# Altium PCB MicroBoard030603.PcbDoc
Units mm, origin at the board's own origin, x right, y up, seen from the top; angles counter-clockwise.
Board outline 99.8 x 61.6 mm, 2 copper layers (Top Layer, Bottom Layer); 74 components, 77 nets, 326 pads, 104 vias.
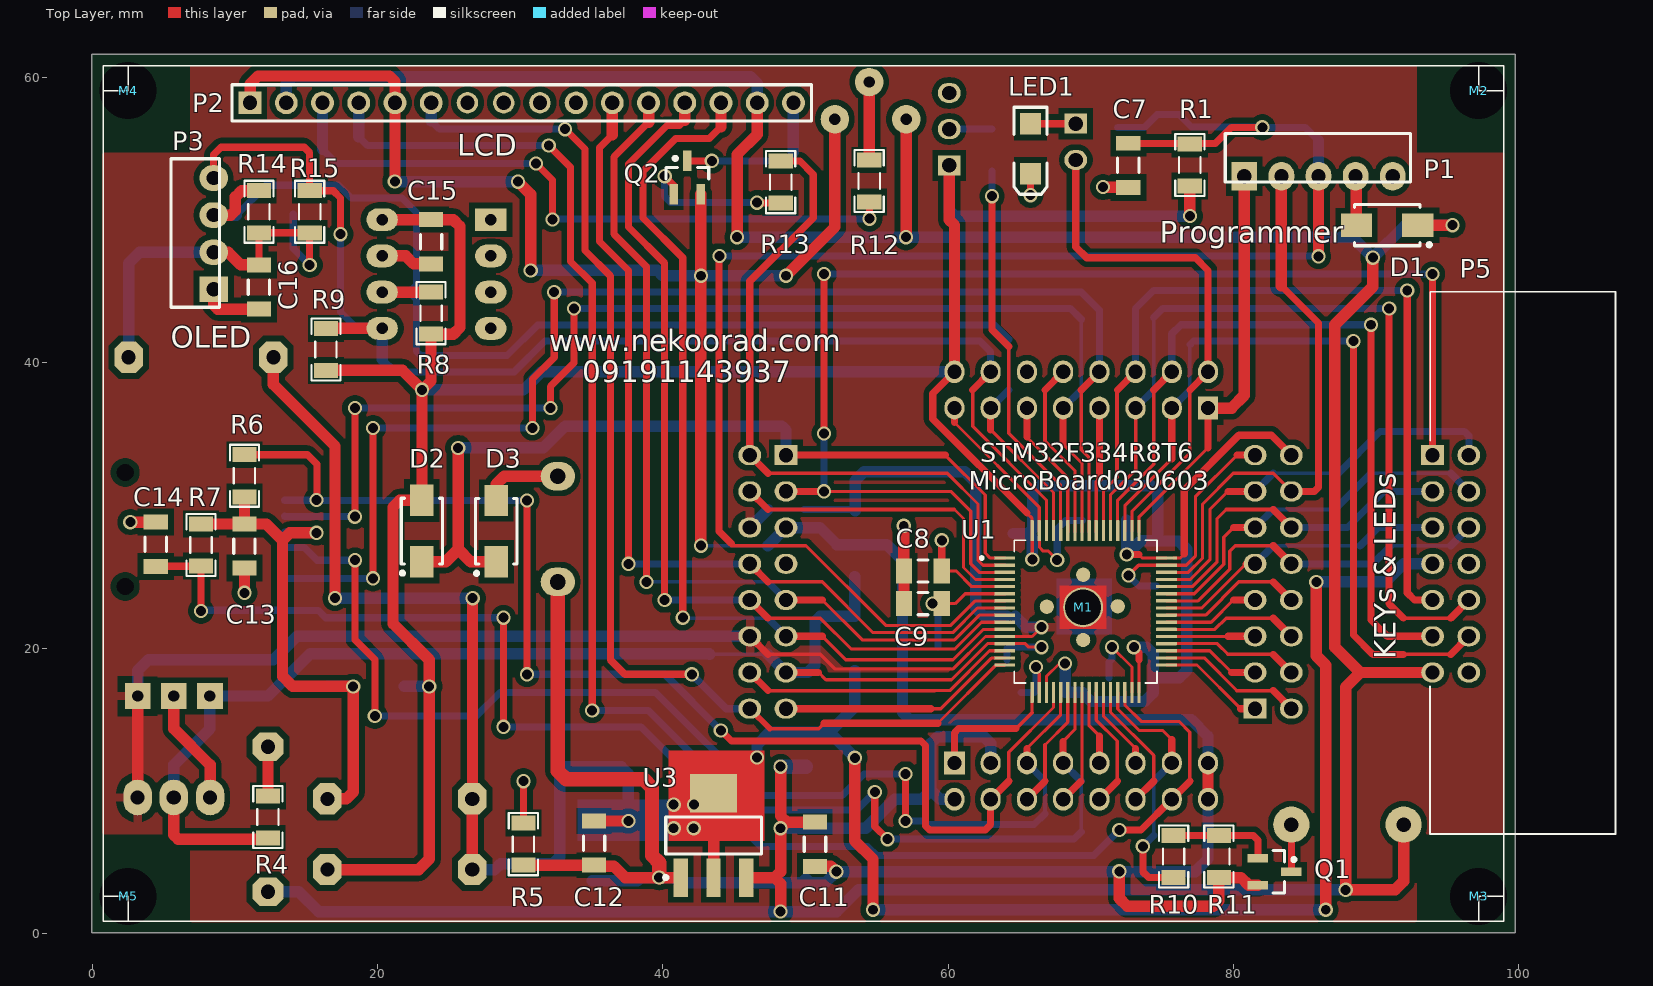
[diagram p0: Top Layer view]
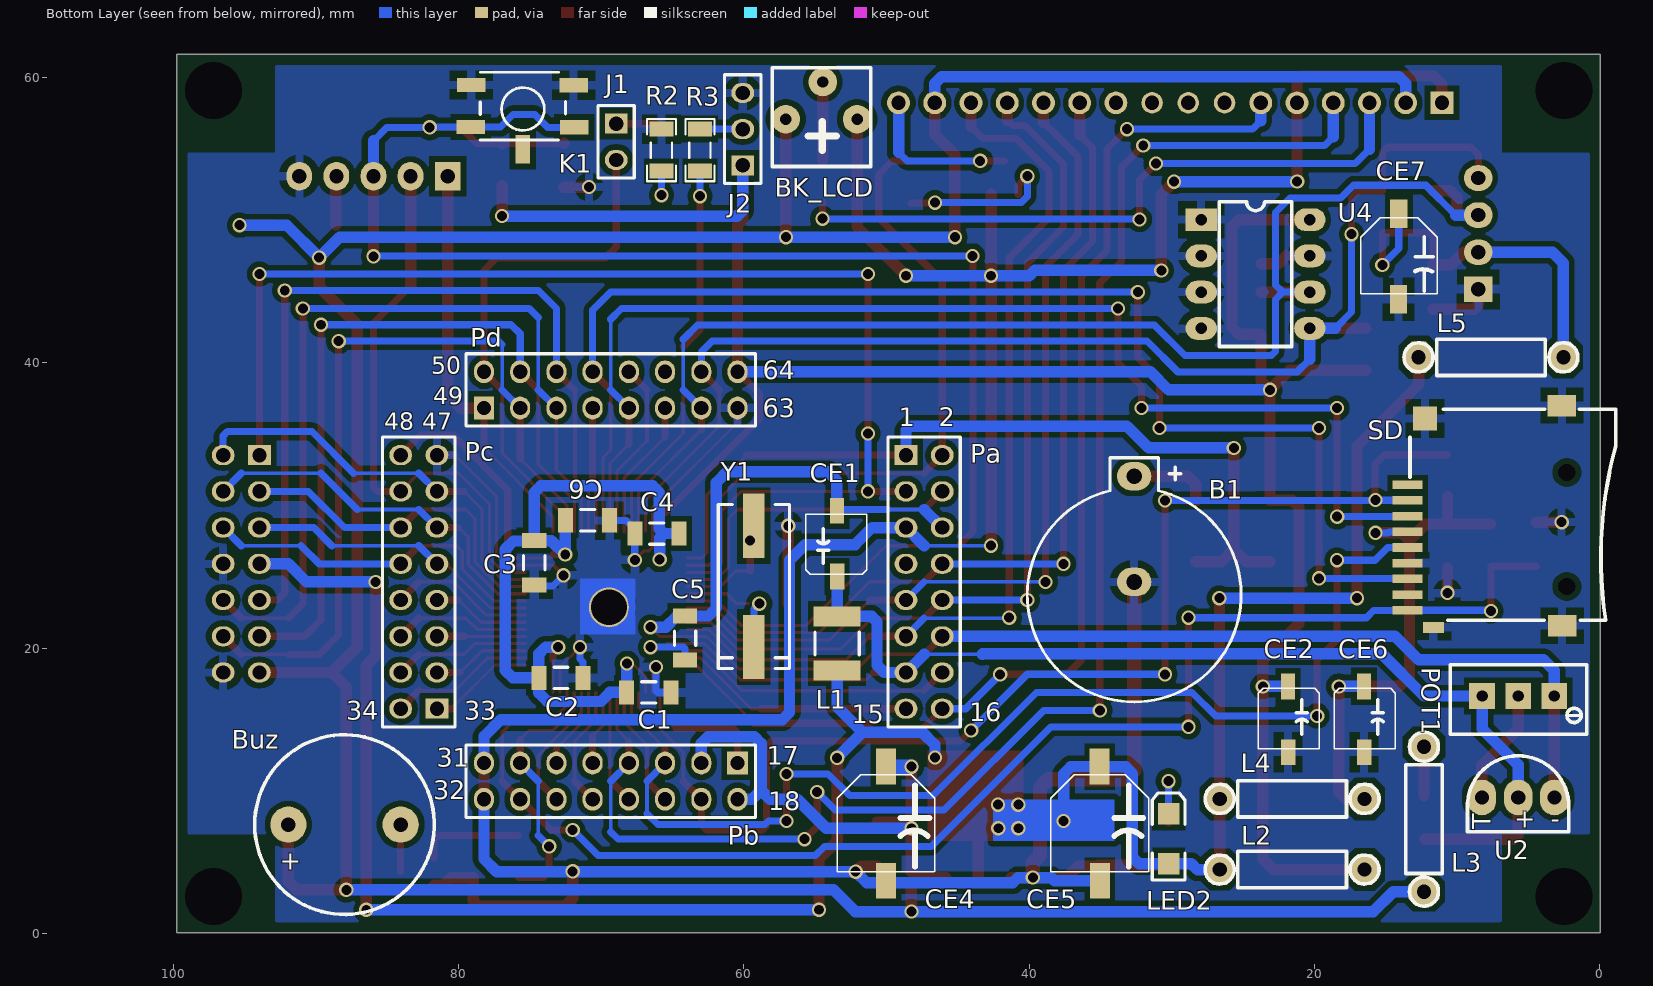
[diagram p1: Bottom Layer view, seen from below]
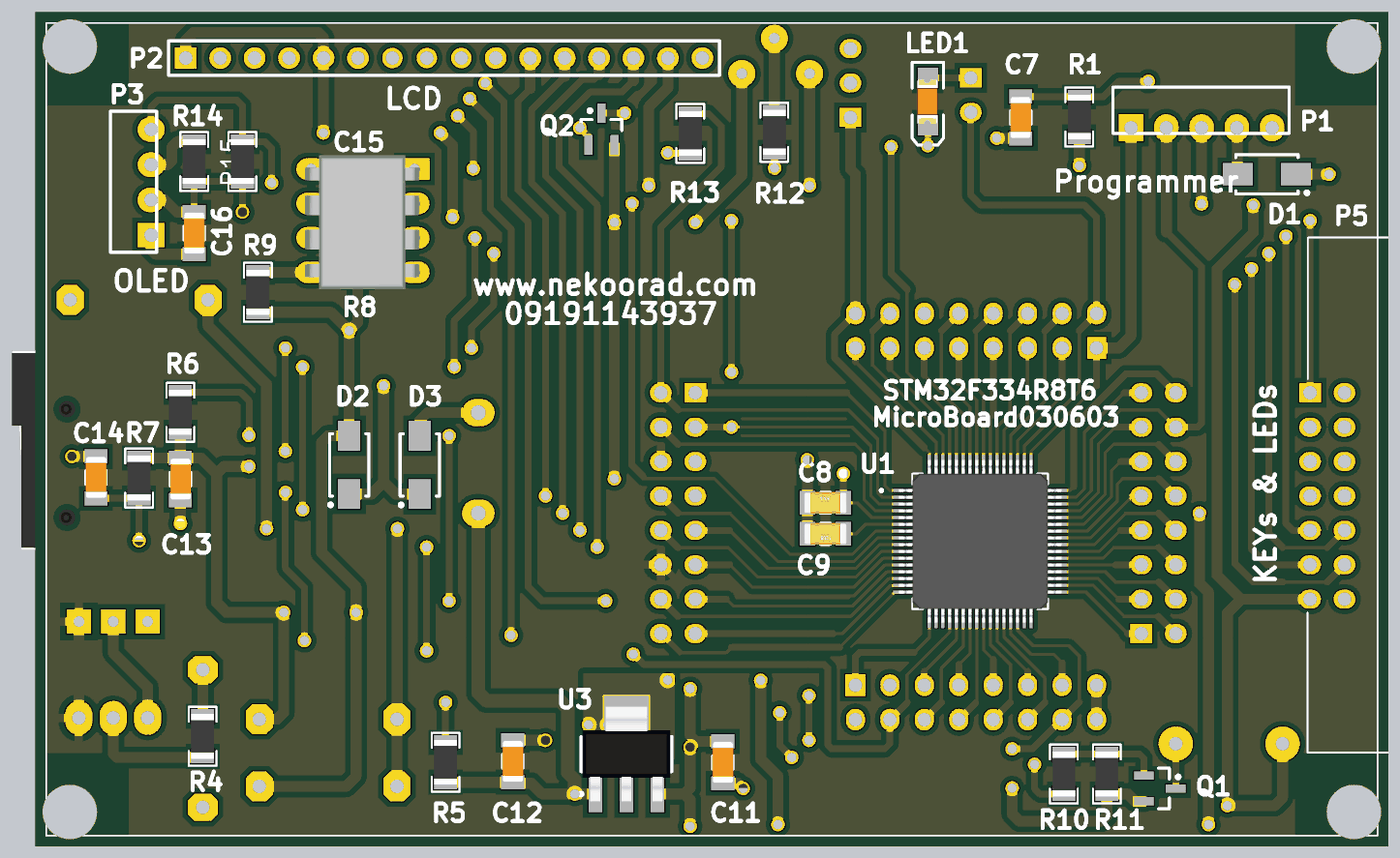
[diagram p2: 3D render of the assembled board from above, using the file's embedded part models]
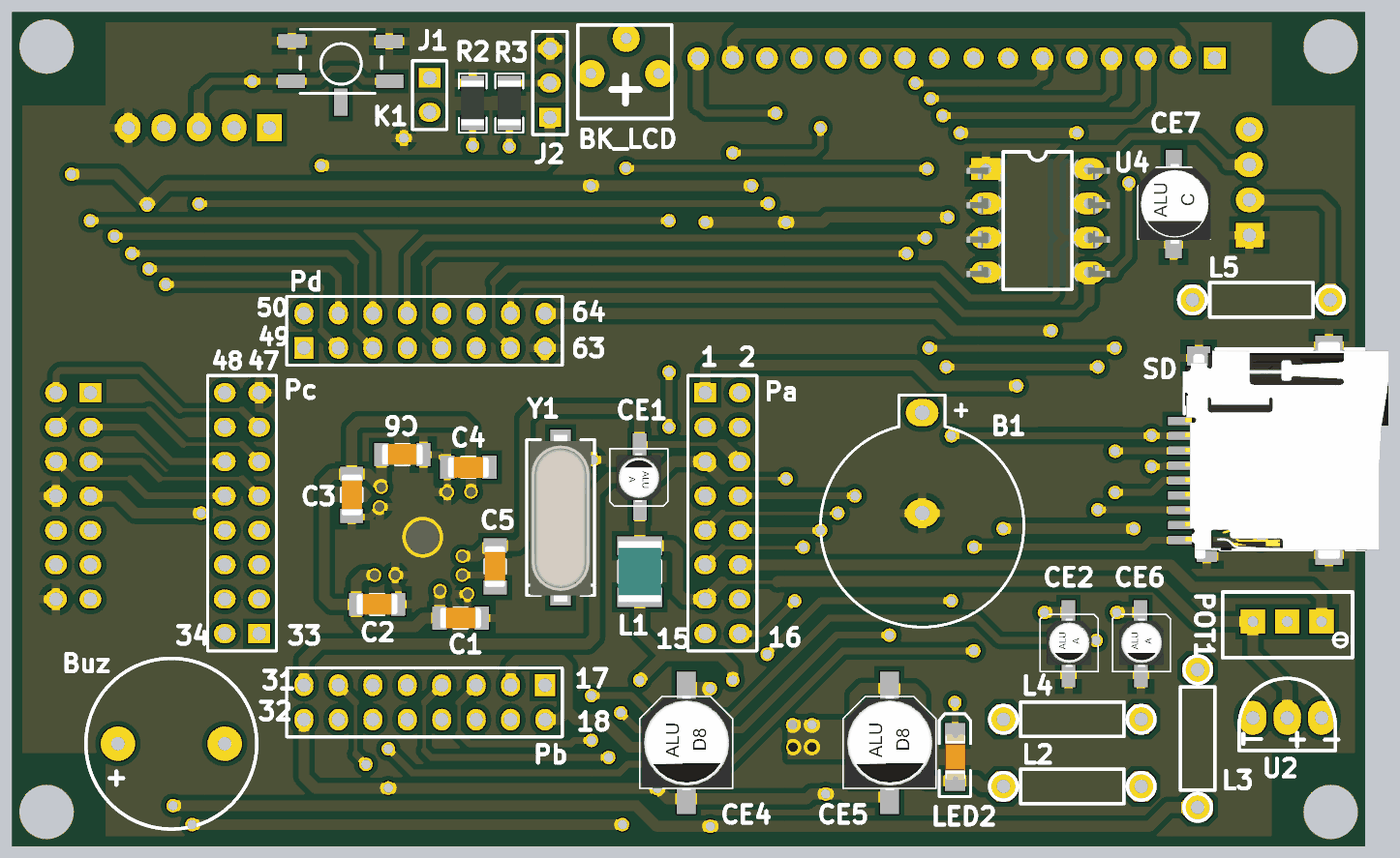
[diagram p3: 3D render of the assembled board from below, using the file's embedded part models]

## Layer stack, top to bottom
Top Solder: solder mask 0.0102, Solder Resist, Dk 3.5
Top Layer: signal copper 0.0356
Dielectric 1: dielectric 0.32, FR-4, Dk 4.8
Bottom Layer: signal copper 0.0356
Bottom Solder: solder mask 0.0102, Solder Resist, Dk 3.5

## Board outline
-0.038,0.033 -0.038,61.633 99.762,61.633 99.762,0.033

## Design rules (kind name [scope] priority, off if disabled: settings)
Clearance Clearance_2 [InNamedPolygon('Bottom Layer-GND')] p1: gap=0.254 ignorepadtopadclearanceinfootprint=FALSE except(0: Arc-Hole Track-Hole SMDPad-Hole THPad-Hole Via-Hole Fill-Hole Poly-Hole Region-Hole Text-Hole)
Clearance Clearance_1 [InNamedPolygon('Bottom Layer-GND')] p2: gap=0.254 ignorepadtopadclearanceinfootprint=FALSE except(0: Arc-Hole Track-Hole SMDPad-Hole THPad-Hole Via-Hole Fill-Hole Poly-Hole Region-Hole Text-Hole)
Clearance [All] p3: gap=0.4 ignorepadtopadclearanceinfootprint=FALSE
PlaneClearance [All] p1: clearance=0.5
PlaneConnect [All] p1: planeconnectstyle=Relief reliefexpansion=0.508 reliefentries=4 reliefconductorwidth=0.6 reliefairgap=0.5
PolygonConnect [All] p1: connectstyle=Relief reliefconductorwidth=0.6 reliefentries=4 polygonreliefangle="90 Angle" airgapwidth=0.5
RoutingVias [All] p1: holewidth=0.711 width=1.27 viastyle="Through Hole" minholewidth=0.711 minwidth=1.27 maxholewidth=0.711 maxwidth=1.27
SolderMaskExpansion [All] p1: expansion=0.102 istentingtop=FALSE
Width [All] p1: maxlimit=1 minlimit=0.2 preferedwidth=0.5 minimp=50.000000 maximp=50.000000 favimp=50.000000
28 further rules are at their usual default settings.

## Components (designator, comment, footprint, x,y, rotation, side; value= is the part's Value field where it differs from the comment)
B1 "CR1220 Holder" "BAT S" 32.639,32.055 r0 bottom
BK_LCD "10K" POT-Blue 57.06,57.074 r180 bottom
Buz "BUZZER" BUZ 88.011,7.62 r0 bottom
C1 "Comment" SMD_CAP_1206. 66.675,16.891 r0 bottom
C2 "Comment" SMD_CAP_1206. 72.83,17.906 r0 bottom
C3 "Comment" SMD_CAP_1206. 74.708,25.984 r90 bottom
C4 "Comment" SMD_CAP_1206. 66.108,28.033 r180 bottom
C5 "Comment" SMD_CAP_1206. 64.135,20.701 r270 bottom
C6 "Comment" SMD_CAP_1206. 70.968,28.956 r0 bottom
C7 "Comment" SMD_CAP_1206. 72.644,53.848 r270 top
C8 "Comment" "CAP 1206 (3216X15L)" 58.238,25.4 r0 top
C9 "Comment" "CAP 1206 (3216X15L)" 58.238,23.114 r180 top
C11 "Comment" SMD_CAP_1206. 50.673,6.248 r90 top
C12 "Comment" SMD_CAP_1206. 35.179,6.325 r90 top
C13 "Comment" SMD_CAP_1206. 10.668,27.153 r90 top
C14 "Comment" SMD_CAP_1206. 4.445,27.28 r90 top
C15 "Comment" SMD_CAP_1206. 23.749,48.489 r90 top
C16 "Comment" SMD_CAP_1206. 11.684,45.314 r90 top
CE1 "10uf tantal" cap-e-2 53.557,28.409 r0 bottom
CE2 "10uf tantal" cap-e-2 21.769,13.92 r180 bottom
CE4 "100uF" cap-e-4 50.038,5.393 r180 bottom
CE5 "100uF" cap-e-4 35.052,5.393 r180 bottom
CE6 "10uf tantal" cap-e-2 16.435,13.92 r180 bottom
CE7 "47uf tantal" CAP-E-3 14.022,45.55 r180 bottom
D1 "SS12" "Diode SMA-M" 90.796,49.657 r180 top
D2 "SS12" "Diode SMA-M" 23.114,28.203 r90 top
D3 "SS12" "Diode SMA-M" 28.321,28.194 r90 top
J1 "HDRM2" HDR1X2 68.961,56.769 r270 bottom
J2 "HDRM3" HDR1X3 60.086,53.848 r90 bottom
K1 "Push Button" "SW PB SMD" 79.121,56.515 r180 bottom
L1 "Comment" INDC4532 53.467,20.325 r270 bottom
L2 "Comment" "L RES" 26.67,4.445 r180 bottom
L3 "Comment" "L RES" 12.294,2.896 r90 bottom
L4 "Comment" "L RES" 26.67,9.398 r180 bottom
L5 "Comment" "L RES" 12.725,40.361 r180 bottom
LED1 "HB" LED_SMD_1206 63.565,54.925 r270 top
LED2 "HB" LED_SMD_1206 28.005,6.726 r90 bottom
M1 "Comment" Stud-hole#1 69.469,22.86 r0 top value=DNP/MH
M2 "Comment" Stud-hole#2 97.212,59.083 r0 top value=DNP/MH
M3 "Comment" Stud-hole#2 97.212,2.583 r0 top value=DNP/MH
M4 "Comment" Stud-hole#2 2.512,59.083 r0 top value=DNP/MH
M5 "Comment" Stud-hole#3 2.512,2.583 r0 top value=DNP/MH
P1 "Programmer" "SIP 5 right" 91.193,53.061 r270 top
P2 "LCD" HDR1X16 11.062,58.233 r0 top
P3 "OLED" "sip 4 right" 8.509,52.984 r0 top
P5 "Key LED" "IDC14 r lock" 94.005,33.528 r270 top
Pa "Header 8X2" HDR2X8#1 48.641,33.528 r270 bottom
Pb "Header 8X2" HDR2X8#2 60.452,11.938 r0 bottom
Pc "Header 8X2" HDR2X8#1 81.534,15.748 r90 bottom
Pd "Header 8X2" HDR2X8#1 78.232,36.83 r180 bottom
POT1 "10K" "pot multi turn" 3.185,16.637 r90 bottom
Q1 "BCV47" SOT23_M 82.899,4.318 r0 top
Q2 "BCV47" SOT23_M 41.722,52.991 r90 top
R1 "4K7" RES_1206 76.073,53.848 r270 top
R2 "1K" RES_1206 66.667,54.877 r270 bottom
R3 "100K" RES_1206 62.205,54.949 r90 bottom
R4 "220" RES_1206 11.43,8.128 r270 top
R5 "1K" RES_1206 31.107,6.286 r90 top
R6 "4K7" RES_1206 9.787,32.046 r270 top
R7 "10K" RES_1206 6.739,27.191 r270 top
R8 "4K7" RES_1206 22.868,43.447 r270 top
R9 "4K7" RES_1206 15.502,40.907 r270 top
R10 "10K" RES_1206 74.938,5.347 r270 top
R11 "4K7" RES_1206 79.875,5.419 r90 top
R12 "1K" RES_1206 55.35,52.79 r90 top
R13 "10K" RES_1206 49.149,52.705 r90 top
R14 "10K" RES_1206 10.803,50.559 r270 top
R15 "10K" RES_1206 14.359,50.559 r270 top
SD "Comment" "Micro sd csrd" 5.813,29.62 r180 bottom
U1 "STM32F334R8T6" STM32F334R8T6 62.349,26.311 r0 top
U2 "LM336" LM336 3.175,9.525 r90 bottom
U3 "Comment" MP04A_M 43.561,6.858 r90 top value=AMS1117-3.3V
U4 "EEPROM_I2C" dip8 27.94,50.038 r180 bottom
Y1 "8Mhz" "Crystal SMD" 59.385,24.599 r180 bottom

## Footprints (in the part's own frame and the unit in brackets; to place one, negate y for a bottom-side part, rotate by r counter-clockwise, add the part's x,y. Pads: shape width x height; smd on the part's side, far side on the other; paste and mask are expansions set on the pad)
"BAT S" [mm]
  oval 2.4x2 hole 1.1: 1(0,0) 2(0,7.417)
  silkscreen extent -7.5,-1.29 7.5,15.83
BUZ [mm]
  round 2.54 hole 1: 1(3.937,0) 2(-3.937,0)
  silkscreen extent -6.3,-6.3 6.3,6.3
"CAP 1206 (3216X15L)" [mm] "Chip Capacitor, 2-Leads, Body 3.2x1.6mm, IPC High Density"
  rect 1.15x1.75 smd: 1(-1.325,0) 2(1.325,0)
  silkscreen extent -0.35,-0.77 0.35,0.77, body extent -1.6,-0.8 1.6,0.8, height 1
cap-e-2 [mm] "1u-50v"
  rect 1x1.8 smd: 1(-0.09,3.39) 2(-0.075,-1.22)
  silkscreen extent -2.17,-0.98 2.11,3.25, body extent -1.68,-0.65 1.62,2.95, height 5.4
CAP-E-3 [mm] "22u-35v"
  rect 1.2x2 smd: 1(-0.065,4.9) 2(-0.075,-1.1)
  silkscreen extent -2.72,-0.69 2.62,4.62, body extent -2.64,-1.03 2.66,4.87, height 5.41
cap-e-4 [mm] "(100u-35v)(47u-16v)(220u-16v)(100u-16v)(10u-50v)"
  rect 1.4x2.5 smd: 1(-0.005,6.3) 2(0,-1.71)
  silkscreen extent -3.43,-1.07 3.43,5.71, body extent -3.27,-1.22 3.33,5.78, height 7.7
"Crystal SMD" [mm]
  rect 1.5x4.5 smd: 1(0.076,-4.524) 2(0.076,3.976)
  silkscreen extent -2.42,-6.02 2.58,5.48, body extent -2.17,-6.48 2.33,5.82, height 5.18
"Diode SMA-M" [mm] "Molded Diode, 2-Leads, Body 4.30x2.70mm, IPC Low Density"
  rect 2.2x1.65 smd: 1(2.15,0) 2(-2.15,0)
  silkscreen extent -3.08,-1.45 2.3,1.5, body extent -2.3,-1.45 2.3,1.45, height 2.44
dip8 [mm]
  rect 2.2x1.6 hole 0.8: 1(0,0)
  oval 2.2x1.6 hole 0.8: 2(0,-2.54) 3(0,-5.08) 4(0,-7.62) 5(7.62,-7.62) 6(7.62,-5.08) 7(7.62,-2.54) 8(7.62,0)
  silkscreen extent 1.27,-8.89 6.35,1.27, body extent -1.42,-8.88 9.14,1.02, height 3.75
HDR1X2 [mm] "Connector; Header; 2 Position"
  rect 1.4x1.6 hole 1: 1(0,0)
  oval 1.4x1.6 hole 1: 2(2.54,0)
  silkscreen extent -1.27,-1.27 3.81,1.27
HDR1X3 [mm] "Connector; Header; 3 Position"
  rect 1.4x1.6 hole 1: 1(0,0)
  oval 1.4x1.6 hole 1: 2(2.54,0) 3(5.08,0)
  silkscreen extent -1.27,-1.27 6.35,1.27
HDR1X16 [mm] "Connector; Header; 16 Position"
  rect 1.6x1.6 hole 1: 1(0,0)
  round 1.6 hole 1: 2(2.54,0) 3(5.08,0) 4(7.62,0) 5(10.16,0) 6(12.7,0) 10(22.86,0) 11(25.4,0) 12(27.94,0) 13(30.48,0) 14(33.02,0) 15(35.56,0) 16(38.1,0)
  round 1.5 hole 1: 7(15.24,0) 8(17.78,0) 9(20.32,0)
  silkscreen extent -1.27,-1.27 39.37,1.27
HDR2X8#1 [mm] "Connector; Header; 8x2 Position"
  rect 1.4x1.6 hole 1: 1(0,0)
  oval 1.4x1.6 hole 1: 2(0,2.54) 3(2.54,0) 4(2.54,2.54) 5(5.08,0) 6(5.08,2.54) 7(7.62,0) 8(7.62,2.54) 9(10.16,0) 10(10.16,2.54) 11(12.7,0) 12(12.7,2.54) 13(15.24,0) 14(15.24,2.54) 15(17.78,0) 16(17.78,2.54)
  silkscreen extent -1.27,-1.27 19.05,3.81
HDR2X8#2 [mm] "Connector; Header; 8x2 Position"
  rect 1.5x1.6 hole 1: 1(0,0)
  oval 1.4x1.6 hole 1: 2(0,2.54) 3(2.54,0) 4(2.54,2.54) 5(5.08,0) 6(5.08,2.54) 7(7.62,0) 8(7.62,2.54) 9(10.16,0) 10(10.16,2.54) 11(12.7,0) 12(12.7,2.54) 13(15.24,0) 14(15.24,2.54) 15(17.78,0) 16(17.78,2.54)
  silkscreen extent -1.27,-1.27 19.05,3.81
"IDC14 r lock" [mm]
  rect 1.4x1.6 hole 1: 1(0,-0.025)
  oval 1.4x1.6 hole 1: 2(0,2.515) 3(2.54,-0.025) 4(2.54,2.515) 5(5.08,-0.025) 6(5.08,2.515) 7(7.62,-0.025) 8(7.62,2.515) 9(10.16,-0.025) 10(10.16,2.515) 11(12.7,-0.025) 12(12.7,2.515) 13(15.24,-0.025) 14(15.24,2.515)
  silkscreen extent -11.46,-0.22 26.57,12.81
INDC4532 [mm] "Chip Inductor, Body 4.5x3.2mm, IPC High Density"
  rect 1.4x3.3 smd: 1(-1.9,0) 2(1.9,0)
  silkscreen extent -0.8,-1.55 0.8,1.55, body extent -2.25,-1.6 2.25,1.6, height 1.75
"L RES" [mm]
  oct 2x2.2 hole 1: 1(0.025,0.025) 2(10.185,0.025)
  silkscreen extent -0.99,-1.24 11.2,1.3
LED_SMD_1206 [mm] "SMD"
  rect 1.5x1.5 smd: 1(-1.844,2.221) 2(1.656,2.221)
  silkscreen extent -2.99,1.07 3.11,3.37, body extent -1.74,1.46 1.56,2.91, height 1.36
LM336 [mm]
  oval 2.5x2 hole 1: 1(0,0) 2(0,2.54) 3(0,5.08)
  silkscreen extent -2.41,-1.02 2.92,6.1
"Micro sd csrd" [mm]
  rect 2.1x0.6 smd: 1(-7.649,1.831) 2(-7.649,0.731) 3(-7.649,-0.369) 4(-7.649,-1.469) 5(-7.649,-2.569) 6(-7.649,-3.669) 7(-7.649,-4.769) 8(-7.649,-5.869) 9(-7.649,-6.969)
  rect 1.5x0.8 smd: 10(-5.838,-8.178)
  rect 1.7x1.7 smd: 11(-6.43,6.481)
  rect 2x1.5 smd: 12(3.179,-8.051) 13(3.17,7.381)
  round 0.5 hole 1.2 unplated mask+0.05: ""(3.506,-5.305) ""(3.506,2.696)
  silkscreen extent -7.49,-7.67 6.93,7.13, body extent -7.68,-8.35 7.57,7.65, height 1.85
MP04A_M [mm] "SOT223, 4-Leads, Body 6.5x3.5mm, Pitch 2.3mm, Lead Span 7mm, IPC Low Density"
  rect 2.7x1 smd: 1(-2.95,2.3) 2(-2.95,0) 3(-2.95,-2.3)
  rect 2.7x3.3 smd: 4(2.95,0)
  silkscreen extent -3.07,-3.35 1.3,3.47, body extent -3.49,-3.24 3.49,3.24, height 1.64
"pot multi turn" [mm]
  rect 1.8x1.8 hole 0.8: 1(0,5.06) 2(0,0) 3(0,2.53)
  silkscreen extent -2.67,-2.29 2.18,7.29
POT-Blue [mm]
  round 2 hole 0.8: 1(-0.009,0.013) 2(4.991,0.013) 3(2.591,2.616)
  silkscreen extent -0.97,-3.3 5.94,3.61
RES_1206 [mm] "SMD"
  rect 1.05x1.7 smd: 1(-1.511,0.881) 2(1.439,0.881)
  silkscreen extent -2.21,-0.14 2.14,1.91, body extent -1.69,0.03 1.61,1.73, height 0.94
"sip 4 right" [mm]
  rect 2x1.8 hole 1: 1(0,-7.825)
  oval 2x1.8 hole 1: 2(0,-5.225) 3(0,-2.625) 4(0,-0.025)
  silkscreen extent -3,-9.09 0.41,1.32
"SIP 5 right" [mm]
  rect 2x1.8 hole 1: 1(-0.025,-10.414)
  oval 2x1.8 hole 1: 2(-0.025,-7.814) 3(-0.025,-5.214) 4(-0.025,-2.614) 5(-0.025,-0.014)
  silkscreen extent -3.03,-11.75 0.38,1.25
SMD_CAP_1206. [mm]
  rect 1.05x1.7 smd: 1(-1.549,0) 2(1.549,0)
  silkscreen extent -0.5,-0.75 0.5,0.75, body extent -1.52,-0.77 1.53,0.75, height 0.75
SOT23_M [mm] "SOT23, 3-Leads, Body 2.9x1.3mm, Pitch 0.95mm, Lead Span 2.3mm - Reverse Pinning, IPC Low Density"
  rect 1.45x0.6 smd: 1(-1.175,0.95) 2(-1.175,-0.95) 3(1.175,0)
  silkscreen extent -0.1,-1.5 1.48,1.5, body extent -0.7,-1.5 0.7,1.5, height 1.1
STM32F334R8T6 [mm]
  rrect25% 1.47x0.229 smd: 1(1.629,0) 2(1.629,-0.5) 3(1.629,-1) 4(1.629,-1.5) 5(1.629,-2) 6(1.629,-2.5) 7(1.629,-3) 8(1.629,-3.5) 9(1.629,-4) 10(1.629,-4.5) 11(1.629,-5) 12(1.629,-5.5) 13(1.629,-6) 14(1.629,-6.5) 15(1.629,-7) 16(1.629,-7.5) 33(12.969,-7.5) 34(12.969,-7) 35(12.969,-6.5) 36(12.969,-6) 37(12.969,-5.5) 38(12.969,-5) 39(12.969,-4.5) 40(12.969,-4) 41(12.969,-3.5) 42(12.969,-3) 43(12.969,-2.5) 44(12.969,-2) 45(12.969,-1.5) 46(12.969,-1) 47(12.969,-0.5) 48(12.969,0)
  rrect25% 0.229x1.47 smd: 17(3.549,-9.42) 18(4.049,-9.42) 19(4.549,-9.42) 20(5.049,-9.42) 21(5.549,-9.42) 22(6.049,-9.42) 23(6.549,-9.42) 24(7.049,-9.42) 25(7.549,-9.42) 26(8.049,-9.42) 27(8.549,-9.42) 28(9.049,-9.42) 29(9.549,-9.42) 30(10.049,-9.42) 31(10.549,-9.42) 32(11.049,-9.42) 49(11.049,1.92) 50(10.549,1.92) 51(10.049,1.92) 52(9.549,1.92) 53(9.049,1.92) 54(8.549,1.92) 55(8.049,1.92) 56(7.549,1.92) 57(7.049,1.92) 58(6.549,1.92) 59(6.049,1.92) 60(5.549,1.92) 61(5.049,1.92) 62(4.549,1.92) 63(4.049,1.92) 64(3.549,1.92)
  silkscreen extent -0.08,-8.75 12.3,1.25, body extent 1.3,-9.75 13.3,2.25, height 1.6
Stud-hole#1 [mm]
  round 2.8 hole 2.5: 1(0,0)
Stud-hole#2 [mm]
  round 1.524 hole 4: 1(0,0)
Stud-hole#3 [mm]
  round 1.524 hole 4: ""(0,0)
"SW PB SMD" [mm]
  rect 2x1 smd: 1(-0.005,2.975) 1(7.175,2.95) 2(-0.025,0.02) 2(7.215,0)
  rect 1x2 smd: 3(3.605,-1.545)
  silkscreen extent 0.62,-0.9 6.62,3.85

## Part data
B1: library part "Battry Backup"
BK_LCD POT1: library part POT2
C1 C2 C3 C4 C5 C6 C7 C8 C9 C11 C12 C13 C14 C15 C16: library part "Capacitor SMD"
CE1 CE2 CE4 CE5 CE6 CE7: library part "Capacitor Tantalium"
D1 D2 D3: library part 1N4001
J1: library part HDR_M_1X2, "CONN, HEADER, Male, pitch: 2.54mm, 2POS"
J2: library part HDR_M_1X3, "CONN, HEADER, Male, pitch: 2.54mm, 3POS"
K1: library part "Push Kay"
L1 L2 L3 L4 L5: library part "Ferrit Bead"
LED1 LED2: library part LED, "LED", Adding Date=1387/12/22, Color=HB, Designer="Saeid Jorablo", Organazation=ControTec, Size="SMD 1206"
M1 M2 M3 M4 M5: library part SCMH_M1P6, "SCREW mouting, M1.6, 1.6mm diameter and 3.2mm PanHead", ASSEMBLY=DNP
P1: library part "Header 5", "Header, 5-Pin", LatestRevisionDate=17-Jul-2002, LatestRevisionNote="Re-released for DXP Platform.", Publisher="Altium Limited"
P2: library part "Header 16", "Header, 16-Pin", LatestRevisionDate=17-Jul-2002, LatestRevisionNote="Re-released for DXP Platform.", Publisher="Altium Limited"
P3: library part "Header 4", "Header, 4-Pin", LatestRevisionDate=17-Jul-2002, LatestRevisionNote="Re-released for DXP Platform.", Publisher="Altium Limited"
P5: library part "Header 7X2", "Header, 7-Pin, Dual row", LatestRevisionDate=17-Jul-2002, LatestRevisionNote="Re-released for DXP Platform.", Publisher="Altium Limited"
Pa Pb Pc Pd: "Header, 8-Pin, Dual row", LatestRevisionDate=17-Jul-2002, LatestRevisionNote="Re-released for DXP Platform.", Publisher="Altium Limited"
Q1 Q2: library part "NPN DAR"
R1 R2 R3 R4 R5 R6 R7 R8 R9 R10 R11 R12 R13 R14 R15: library part Resistor, "Resistor", Power="1/8 W", Tolerance=5%
SD: library part "Micro SD Card"
U1: "No Description Available", Mfr_Name=STMicroelectronics, Copyright="Copyright (C) 2023 Ultra Librarian. All rights reserved.", Manufacturer_Part_Number=STM32F334R8T6, RefDes=RefDes, Type=DEV
U3: library part VREG_1117_SOT223, "REG, Linear, LDO1V, 0.8A, SOT-223", MANF="TI, ON, ST", MANF_P#="LD1117, LM1117, AMS1117, TLV1117, REG1117, NCP1117, LT1117, SPX1117", PARAM="LDO1V, 0.8A", PARAM2=1.2/1.5/1.8/2.5/2.85/3.3/5V
U4: library part AT24C128
Y1: library part Xtal

## Free pads (board coordinates)
  round 1 smd: 6(71.905,22.927) 7(69.478,25.139) 8(66.93,22.902) 9(69.478,20.564)

## Via types
v1: diameter 1, hole 0.7, Top Layer to Bottom Layer, 104 vias
